# KiCad board pcb.kicad_pcb (continued)
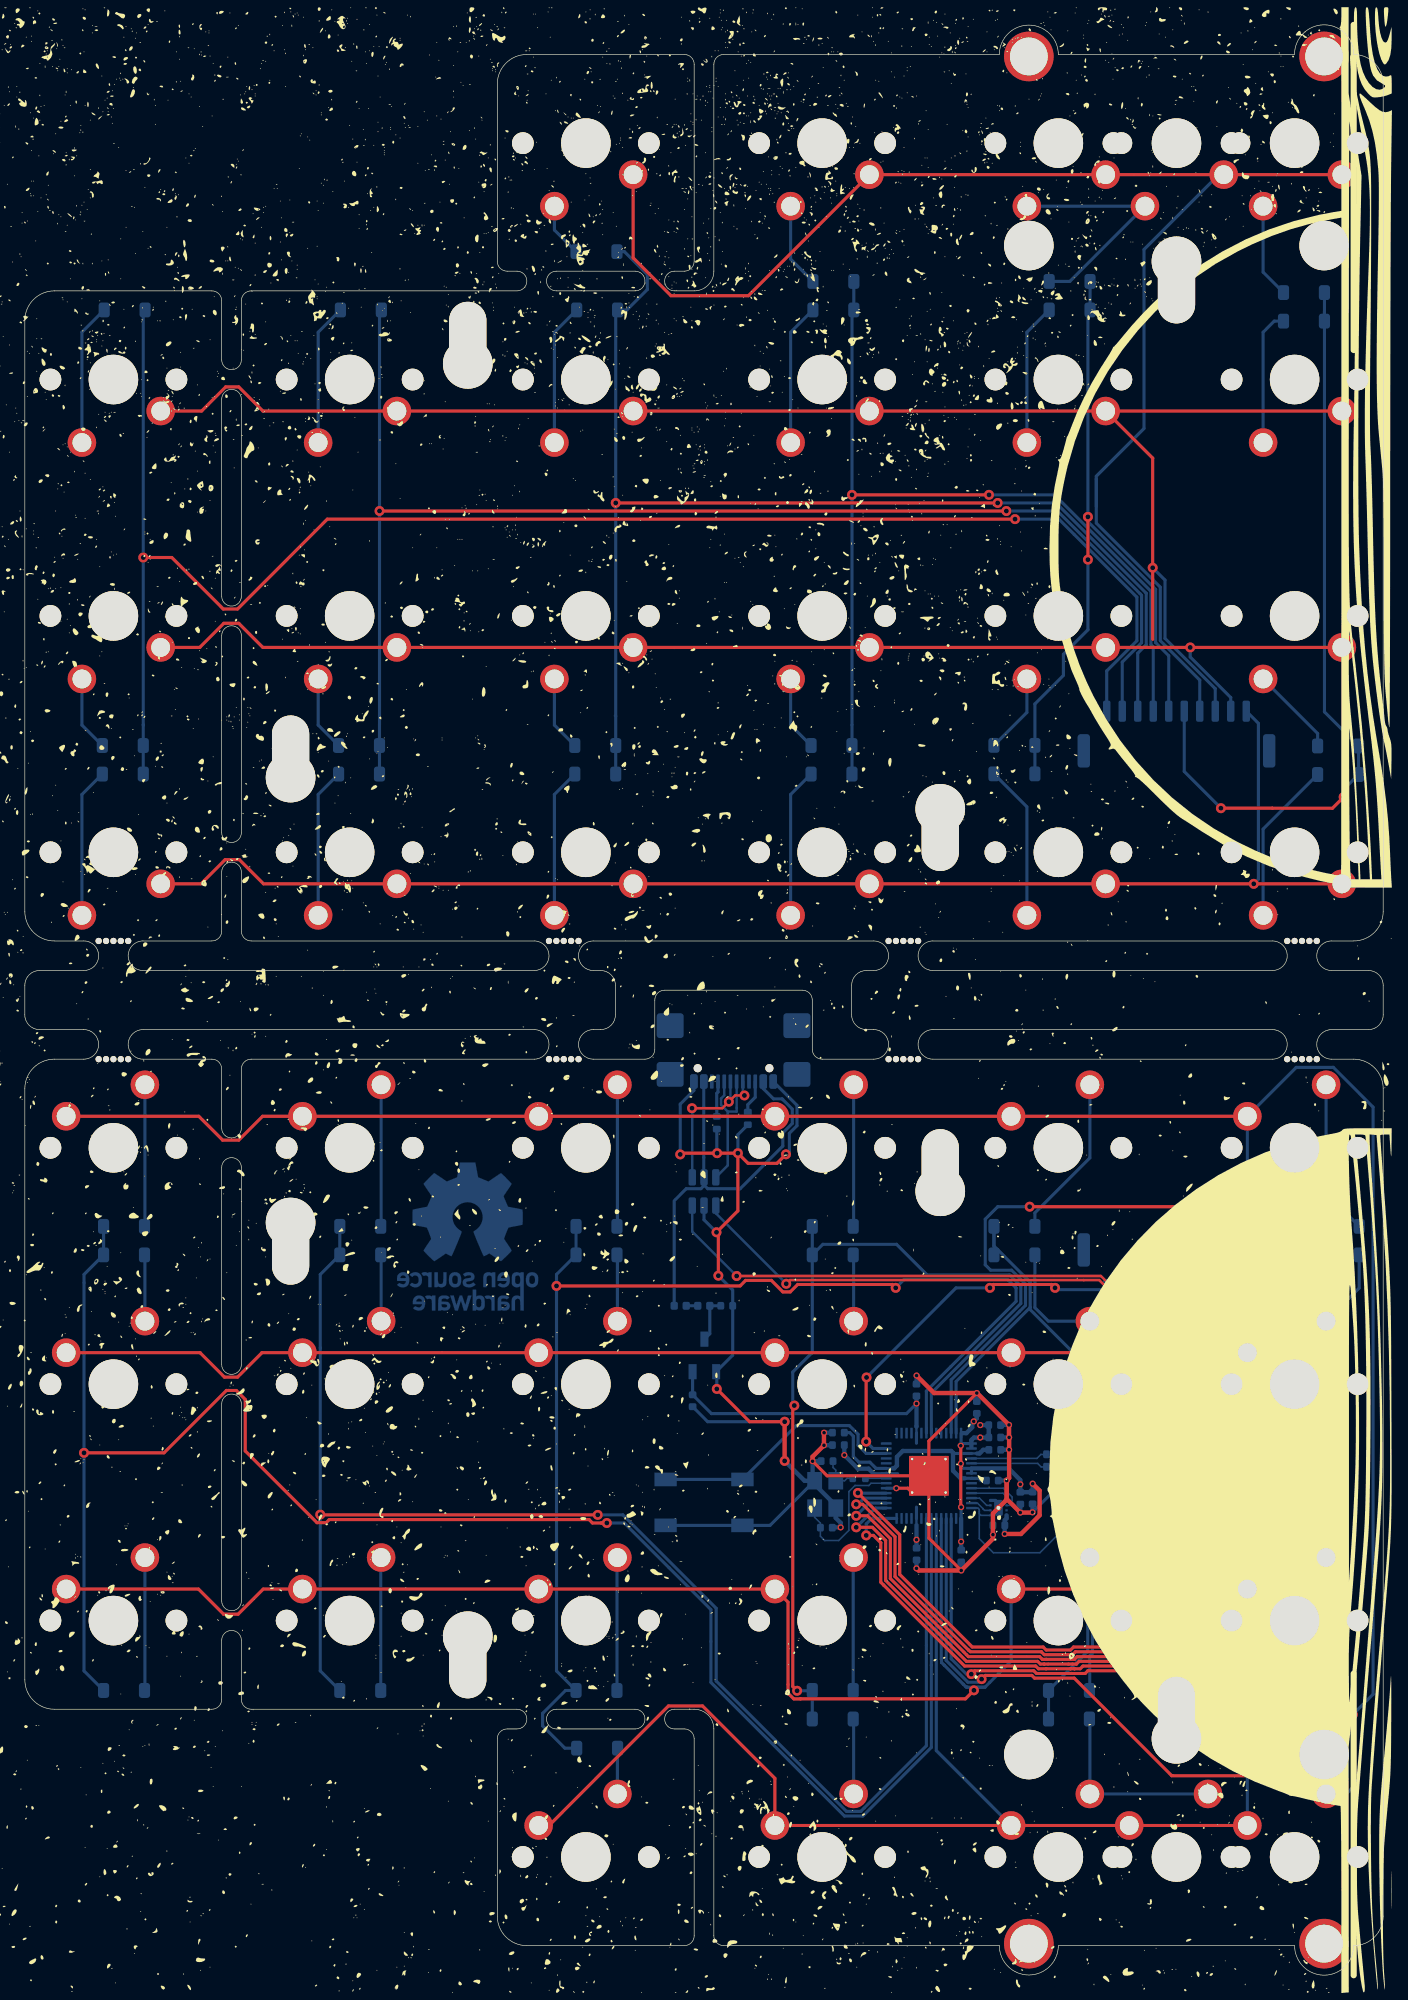
[diagram p0: board, top side]
## Footprints (pads in the part's own frame, mm; a bottom-side part is the same pattern mirrored in y, then rotated)
C_0402_1005Metric
  rrect 0.56x0.62 smd: 1(-0.48,0) 2(0.48,0)
Crystal_SMD_3225-4Pin_3.2x2.5mm
  rect 1.4x1.2 smd: 1(-1.1,-0.85) 2(1.1,-0.85) 3(1.1,0.85) 4(-1.1,0.85)
D_SOD-123-minimal
  rrect 0.9x1.2 smd: 1(-1.65,0) 2(1.65,0)
Fuse_0402_1005Metric
  rrect 0.59x0.64 smd: 1(-0.485,0) 2(0.485,0)
JST_GH_SM10B-GHS-TB_1x10-1MP_P1.25mm_Horizontal
  rrect 0.6x1.7 smd: 1(-5.625,1.85) 2(-4.375,1.85) 3(-3.125,1.85) 4(-1.875,1.85) 5(-0.625,1.85) 6(0.625,1.85) 7(1.875,1.85) 8(3.125,1.85) 9(4.375,1.85) 10(5.625,1.85)
  rrect 1x2.7 smd: MP(-7.475,-1.35) MP(7.475,-1.35)
L_0402_1005Metric
  rrect 0.59x0.64 smd: 1(-0.485,0) 2(0.485,0)
mousebites
  round 0.5 hole 0.5 unplated: (-1.191,-1.191) (-0.595,-1.191) (0,-1.191) (0.595,-1.191) (1.191,-1.191)
QFN-56-1EP_7x7mm_P0.4mm_EP3.2x3.2mm_ThermalVias
  custom 1.239x1.239 smd: (-0.675,-0.675) (-0.675,0.675) (0.675,-0.675) (0.675,0.675)
  rrect 0.875x0.2 smd: 1(-3.438,2.6) 2(-3.438,2.2) 3(-3.438,1.8) 4(-3.438,1.4) 5(-3.438,1) 6(-3.438,0.6) 7(-3.438,0.2) 8(-3.438,-0.2) 9(-3.438,-0.6) 10(-3.438,-1) 11(-3.438,-1.4) 12(-3.438,-1.8) 13(-3.438,-2.2) 14(-3.438,-2.6) 29(3.438,-2.6) 30(3.438,-2.2) 31(3.438,-1.8) 32(3.438,-1.4) 33(3.438,-1) 34(3.438,-0.6) 35(3.438,-0.2) 36(3.438,0.2) 37(3.438,0.6) 38(3.438,1) 39(3.438,1.4) 40(3.438,1.8) 41(3.438,2.2) 42(3.438,2.6)
  rrect 0.2x0.875 smd: 15(-2.6,-3.438) 16(-2.2,-3.438) 17(-1.8,-3.438) 18(-1.4,-3.438) 19(-1,-3.438) 20(-0.6,-3.438) 21(-0.2,-3.438) 22(0.2,-3.438) 23(0.6,-3.438) 24(1,-3.438) 25(1.4,-3.438) 26(1.8,-3.438) 27(2.2,-3.438) 28(2.6,-3.438) 43(2.6,3.438) 44(2.2,3.438) 45(1.8,3.438) 46(1.4,3.438) 47(1,3.438) 48(0.6,3.438) 49(0.2,3.438) 50(-0.2,3.438) 51(-0.6,3.438) 52(-1,3.438) 53(-1.4,3.438) 54(-1.8,3.438) 55(-2.2,3.438) 56(-2.6,3.438)
  round 0.5 hole 0.2: 57(-1.35,-1.35) 57(-1.35,1.35) 57(1.35,-1.35) 57(1.35,1.35)
  rect 3.2x3.2 smd far side: 57(0,0)
  rect 3.2x3.2 smd: 57(0,0)
R_0402_1005Metric
  rrect 0.54x0.64 smd: 1(-0.51,0) 2(0.51,0)
SOT-23-6
  rrect 1.325x0.6 smd: 1(-1.137,0.95) 2(-1.137,0) 3(-1.137,-0.95) 4(1.137,-0.95) 5(1.137,0) 6(1.137,0.95)
spacer_hole_4mm
  round 4 hole 4 unplated: (0,3.5)
  oval 3x6 hole 3x6 unplated: (0,1.5)
STAB_MX_P_2u
  round 4 hole 3.048: (-11.906,6.985) (11.906,6.985)
  round 3.988 hole 3.988 unplated: (-11.906,-8.255) (11.906,-8.255)
SW_MX_1u
  round 1.75 hole 1.75 unplated: (-5.08,0) (5.08,0)
  round 3.988 hole 3.988 unplated: (0,0)
  round 2.3 hole 1.524: 1(-3.81,2.54) 2(2.54,5.08)
SW_SPST_SKQG_WithoutStem
  rect 1.8x1.1 smd: 1(-3.1,1.85) 1(3.1,1.85) 2(-3.1,-1.85) 2(3.1,-1.85)
TSOT-23
  rect 1.22x0.65 smd: 1(-1.31,0.95) 2(-1.31,-0.95) 3(1.31,0)
USB_C_Receptacle_GCT_USB4110
  round 0.65 hole 0.65 unplated: (-2.89,2.605) (2.89,2.605)
  rrect 0.6x1.15 smd: A1(-3.2,3.68) A4(-2.4,3.68) A9(2.4,3.68) A12(3.2,3.68) B1(3.2,3.68) B4(2.4,3.68) B9(-2.4,3.68) B12(-3.2,3.68)
  rrect 0.3x1.15 smd: A5(-1.25,3.68) A6(-0.25,3.68) A7(0.25,3.68) A8(1.25,3.68) B5(1.75,3.68) B6(0.75,3.68) B7(-0.75,3.68) B8(-1.75,3.68)
  rrect 2.18x2 smd: S1(-5.11,-0.825) S1(-5.11,3.105) S1(5.11,-0.825) S1(5.11,3.105)
USON-8_1.5x1.5mm_P0.45mm
  rrect 0.2x0.18 smd: 1(-0.65,0.6) 2(-0.65,0.2) 3(-0.65,-0.2) 4(-0.65,-0.6) 5(0.65,-0.6) 6(0.65,-0.2) 7(0.65,0.2) 8(0.65,0.6)
  round 0.5 hole 0.3: 9(0,0)
  rrect 0.7x1.3 smd: 9(0,0)

## Nets
+1V1: C12.1 C14.1 C16.1 U1.23 U1.45 U1.50
+3.3V: C3.1 C4.1 C5.1 C6.1 C7.1 C8.1 C9.1 C10.1 C11.1 C15.1 C17.1 U1.1 U1.10 U1.22 U1.33 U1.42 U1.43 U1.44 U1.48 U1.49 U4.2 U5.8
/VBUS: F1.2 J1.A4 J1.A9 J1.B4 J1.B9 U3.5
GND: C1.2 C2.2 C3.2 C4.2 C5.2 C6.2 C7.2 C8.2 C9.2 C10.2 C11.2 C12.2 C13.2 C14.2 C15.2 C16.2 C17.2 J1.A1 J1.A12 J1.B1 J1.B12 R4.1 R5.1 SW72.1 SW73.1 U1.19 U1.57 U3.2 U4.1 U5.4 U5.9 Y1.2 Y1.4
/CS_: SW72.2 U1.56 U5.1
/D1+: J1.A6 J1.B6 U3.4
/D1-: J1.A7 J1.B7 U3.6
/DN: R2.2 U3.1
/DP: R1.1 U3.3
/RUN_: SW73.2 U1.26
/SCLK_: U1.52 U5.6
/SD0_: U1.53 U5.5
/SD1_: U1.55 U5.2
/SD2_: U1.54 U5.3
/SD3_: U1.51
/Switch Matrix/COL6r: D23.1 D29.1 D35.1 D41.1 J3.5
/Switch Matrix/COL7r: D24.1 D30.1 D36.1 D42.1 J3.6
/Switch Matrix/COL8r: D25.1 D31.1 D37.1 D43.1 J3.7
/Switch Matrix/COL9r: D26.1 D32.1 D38.1 D44.1 J3.8
/Switch Matrix/COL10r: D27.1 D33.1 D39.1 J3.9
/Switch Matrix/COL11r: D28.1 D34.1 D40.1 J3.10
/Switch Matrix/ROW0r: J3.1 MX23.1 MX24.1 MX25.1 MX26.1 MX27.1 MX28.1
/Switch Matrix/ROW1r: J3.2 MX29.1 MX30.1 MX31.1 MX32.1 MX33.1 MX34.1
/Switch Matrix/ROW2r: J3.3 MX35.1 MX36.1 MX37.1 MX38.1 MX39.1 MX40.1
/Switch Matrix/ROW3r: J3.4 MX41.1 MX42.1 MX43.1 MX44.1 MX46.1
/VFused_: C13.1 FB1.2 U4.3
/XIN_: C1.1 U1.20 Y1.3
/XOUT_: C2.1 R3.1 Y1.1
GP0: U1.2
GP1: J2.10 MX1.1 MX2.1 MX3.1 MX4.1 MX5.1 MX6.1 U1.3
GP2: J2.9 MX7.1 MX8.1 MX9.1 MX10.1 MX11.1 MX12.1 U1.4
GP3: J2.8 MX13.1 MX14.1 MX15.1 MX16.1 MX17.1 MX18.1 U1.5
GP4: J2.7 MX19.1 MX20.1 MX21.1 MX22.1 MX45.1 U1.6
GP5: D1.1 D7.1 D13.1 U1.7
GP6: D2.1 D8.1 D14.1 U1.8
GP7: U1.9
GP8: U1.11
GP9: U1.12
GP10: U1.13
GP11: J2.6 U1.14
GP12: J2.5 U1.15
GP13: J2.4 U1.16
GP14: J2.3 U1.17
GP15: J2.2 U1.18
GP16: J2.1 U1.27
GP17: U1.28
GP18: U1.29
GP19: U1.30
GP20: U1.31
GP21: U1.32
GP22: U1.34
GP23: D3.1 D9.1 D15.1 D19.1 U1.35
GP24: D4.1 D10.1 D16.1 D20.1 U1.36
GP25: U1.37
GP26: U1.38
GP27: U1.39
GP28: D6.1 D12.1 D18.1 D22.1 U1.40
GP29: D5.1 D11.1 D17.1 D21.1 U1.41
Net-(D1-A): D1.2 MX1.2
Net-(D2-A): D2.2 MX2.2
Net-(D3-A): D3.2 MX3.2
Net-(D4-A): D4.2 MX4.2
Net-(D5-A): D5.2 MX5.2
Net-(D6-A): D6.2 MX6.2
Net-(D7-A): D7.2 MX7.2
Net-(D8-A): D8.2 MX8.2
Net-(D9-A): D9.2 MX9.2
Net-(D10-A): D10.2 MX10.2
Net-(D11-A): D11.2 MX11.2
Net-(D12-A): D12.2 MX12.2
Net-(D13-A): D13.2 MX13.2
Net-(D14-A): D14.2 MX14.2
Net-(D15-A): D15.2 MX15.2
Net-(D16-A): D16.2 MX16.2
Net-(D17-A): D17.2 MX17.2
Net-(D18-A): D18.2 MX18.2
Net-(D19-A): D19.2 MX19.2
Net-(D20-A): D20.2 MX20.2
Net-(D21-A): D21.2 MX21.2 MX45.2
Net-(D22-A): D22.2 MX22.2
Net-(D23-A): D23.2 MX23.2
Net-(D24-A): D24.2 MX24.2
Net-(D25-A): D25.2 MX25.2
Net-(D26-A): D26.2 MX26.2
Net-(D27-A): D27.2 MX27.2
Net-(D28-A): D28.2 MX28.2
Net-(D29-A): D29.2 MX29.2
Net-(D30-A): D30.2 MX30.2
Net-(D31-A): D31.2 MX31.2
Net-(D32-A): D32.2 MX32.2
Net-(D33-A): D33.2 MX33.2
Net-(D34-A): D34.2 MX34.2
Net-(D35-A): D35.2 MX35.2
Net-(D36-A): D36.2 MX36.2
Net-(D37-A): D37.2 MX37.2
Net-(D38-A): D38.2 MX38.2
Net-(D39-A): D39.2 MX39.2
Net-(D40-A): D40.2 MX40.2
Net-(D41-A): D41.2 MX41.2
Net-(D42-A): D42.2 MX42.2 MX46.2
Net-(D43-A): D43.2 MX43.2
Net-(D44-A): D44.2 MX44.2
Net-(F1-Pad1): F1.1 FB1.1
Net-(J1-CC1): J1.A5 R4.2
Net-(J1-CC2): J1.B5 R5.2
Net-(U1-USB_DM): R2.1 U1.46
Net-(U1-USB_DP): R1.2 U1.47
Net-(U1-XOUT): R3.2 U1.21

Pads without a net: J1 A8 B8 S1; J2 MP; J3 MP; U1 24 25; U5 7

## Via types
v1: diameter 0.8, hole 0.4, Top to Bottom, 66 vias
v2: diameter 0.5, hole 0.3, Top to Bottom, 29 vias

## Routing (per net, layer and track width the routed paths; a pad name or vN(x,y) marks a point on that pad's centre or on a via; arc(x,y) is an arc through that point)
+1V1: length 19.3
  Bottom w0.127: U1.23 69.97,40.84
  Bottom w0.25: U1.50 75.48,40.04 ; 74.85,42.1 74.91,42.04 U1.45
  Bottom w0.254: U1.23 68.64,40.84 68.14,41.34 67.27,41.34 66.81,41.79 66.81,43.43 66.52,43.72 C16.1 ; C14.1 77.1,39.86 76.92,40.04 U1.50
  Bottom w0.35: 69.97,40.84 70.11,40.84 70.33,41.06 70.33,41.77 70.8,42.24 74.71,42.24 74.85,42.1 74.85,40.65 75.46,40.04 75.8,40.04 ; 76.8,42.04 76.99,42.04 77.29,42.34 C12.1
+3.3V: length 65
  Top w0.25: v2(75.5,37.72) 75.48,37.74 v2(75.48,42.67)
  Top w0.35: v2(79.02,35.56) 80.33,35.56 81.84,37.06 81.84,39.05 v2(81.27,39.61)
  Bottom w0.25: U4.2 C15.1 55.37,45.26 71.1,45.26 v2(71.91,46.06) ; U1.10 71.9,37.72 ; U1.33 71.9,42.87 ; U1.48 75.48,40.84 ; U1.43 75.5,42.84 ; 75.5,42.84 U1.42 ; 75.5,42.84 75.35,42.7 75.33,42.7 ; U1.1 v2(75.5,37.72)
  Bottom w0.254: 68.45,40.41 69.43,40.41 U1.22 69.49,40.41 70.38,40.41 ; U1.49 U1.48 ; C8.1 71.9,46.67
  Bottom w0.35: v2(79.02,35.56) 79.02,36.25 C10.1 79.02,36.67 79.17,36.81 U5.8 ; 76.34,40.84 79.33,40.84 80.28,39.9 C4.1 81.25,38.92 C3.1 81.27,38.94 v2(81.27,39.61) ; 76.33,42.58 76.33,43.12 76.54,43.33 v2(77.05,43.33) 77.73,43.33 C6.1 77.73,44.32 C5.1 v2(77.05,44.33) ; 75.62,43.68 75.93,43.68 76.4,44.15 76.4,44.5 v2(76.52,44.63) 76.77,44.88 C7.1 ; 68.45,40.41 68.04,40.82 67.18,40.82 v2(66.09,41.91) 66.09,42.72 C11.1 ; C17.1 75.5,34.26 v2(75.5,34.94) 75.5,36.81 ; C8.1 v2(71.91,46.06) 71.91,44.22 71.9,44.21 ; C9.1 71.91,34.42 v2(71.91,35.09) 71.91,36.27
  vias: v2(75.48,41.22) v2(80.28,39.56)
/VBUS: length 35.1
  Bottom w0.25: F1.2 52.37,62.41 ; J1.A9 59.55,71.44 60.37,70.62 61.07,70.62 61.89,69.8 61.89,68.63 61.13,67.87 61.13,66.82 57.69,63.38 55.07,63.38 54.77,63.68 U3.5 ; 52.45,62.49 53.34,63.38 54.52,63.38 54.77,63.63 U3.5 ; U3.5 54.75,64.31 J1.A4
GND: length 184.2
  Top w0.25: U1.57 64.7,40.24 v2(63.53,41.42) ; U1.57 72.9,43.04 v2(76.77,46.91) ; U1.57 72.9,35.22 v2(75.51,32.61) ; v2(70.28,39.24) 71.2,39.24 U1.57 ; v1(57.5,66.24) 58.32,65.42 60.66,65.42 v1(61.38,66.15) ; v1(57.5,66.24) 57.5,61.59 v1(55.78,59.87) 55.93,59.72 v1(55.93,56.37) ; v1(57.5,66.24) v1(55.83,66.24) 52.95,66.24 v1(52.85,66.14) ; v1(61.27,44.6) 58.44,44.6 v1(55.8,47.24) ; v1(95.9,41.29) 95.85,41.34 v1(89.8,41.34)
  Top w0.35: v1(61.27,41.44) v1(61.27,44.6) ; v2(79.18,39.86) 79.37,40.05 v2(79.37,42.34) v2(79.37,43.33) 79.37,43.34 v2(79.37,44.35) 76.8,46.91 v2(76.77,46.91) 73.32,46.91 v2(71.91,48.32) ; v2(79.18,39.86) 79.18,38.32 U5.9 78.07,37.21 v2(78.07,35.5) 78.07,35.17 v2(75.51,32.61) 72.07,32.61 v2(71.91,32.78) ; v2(79.18,39.86) 79.18,38.38 v2(80.28,37.28) 81.24,37.28 v2(81.26,37.3) ; v2(63.53,41.42) 63.53,41.79 v2(64.45,42.7) 64.45,43.71 v2(64.45,43.72)
  Bottom w0.127: 71.9,39.24 U1.57
  Bottom w0.25: 55.8,68.12 55.8,66.27 v1(55.83,66.24) ; v1(89.8,41.34) 89.77,41.31 SW72.1 83.91,39.95 v2(81.26,37.3) ; v1(57.5,66.24) 57.5,67.73 R5.1 ; v1(55.8,47.24) 55.8,48.58 U4.1 57.08,49.96 C13.2 57.08,55.21 v1(55.93,56.37) ; C15.2 55.06,44.6 v1(61.27,44.6) ; U5.4 78.27,38.26 78.52,38.01 U5.9 ; SW72.1 95.9,40.02 v1(95.9,41.29) ; v1(52.85,66.14) 52.85,70.19 53.95,71.29 J1.A1 ; SW73.1 SW73.1 60.1,36.25 Y1.4 ; U1.19 v2(70.28,39.24) ; J1.A12 62.27,70.1 62.27,68.46 61.65,67.84 61.65,66.42 v1(61.38,66.15) ; v1(55.78,59.87) 54.77,60.88 U3.2
  Bottom w0.35: C10.2 78.07,36.25 v2(78.07,35.5) ; C14.2 v2(79.18,39.86) ; v2(71.91,48.32) 71.91,47.64 C8.2 ; C2.2 64.21,41.42 v2(63.53,41.42) 63.53,40.01 Y1.4 ; v1(61.27,41.44) 62.87,39.84 Y1.4 ; C11.2 65.11,42.7 v2(64.45,42.7) ; v2(79.37,42.34) 78.71,42.34 C12.2 ; C7.2 v2(76.77,46.91) ; v2(64.45,43.72) 65.12,43.72 C16.2 ; C9.2 71.91,33.45 v2(71.91,32.78) ; C6.2 v2(79.37,43.33) ; C4.2 v2(80.28,37.28) ; Y1.4 63.69,39.55 65.39,37.85 Y1.2 65.39,36.85 65.79,36.45 v2(65.79,36.09) 65.14,36.09 C1.2 ; v2(79.37,44.35) 78.7,44.35 C5.2 ; C3.2 81.26,37.97 v2(81.26,37.3) ; C17.2 v2(75.51,32.61)
/CS_: length 27.9
  Top w0.127: v1(89.88,34.59) 95.95,34.59 v1(95.98,34.57)
  Bottom w0.127: v1(89.88,34.59) 89.88,36.14 SW72.2 84.06,36.25 81.85,34.04 78.1,34.04 76.97,35.18 76.97,37.39 ; SW72.2 95.97,34.58 v1(95.98,34.57) ; U1.56 76.86,37.64 76.97,37.53 76.97,37.39 ; U5.1 77.09,37.06 76.97,37.18 76.97,37.39
/D1+: length 13.1
  Top w0.2: v1(58.03,70.89) 57.28,70.89 v1(56.78,70.39) 56.25,69.87 v1(53.8,69.87)
  Bottom w0.2: v1(58.03,70.89) 57.9,71.02 J1.B6 ; v1(53.8,69.87) 53.82,69.85 U3.4 ; J1.A6 56.9,70.52 v1(56.78,70.39)
/D1-: length 11.6
  Bottom w0.2: J1.B7 56.4,70.91 56.15,70.65 56.15,70.13 56.68,69.59 ; J1.A7 57.4,69.59 56.68,69.59 ; 56.68,69.59 56.68,65.26 U3.6
/DN: length 57.5
  Top w0.2: v1(91.38,50.82) 91.38,51.28 86.64,56.02 61.7,56.02 v1(61.4,55.72)
  Bottom w0.2: v1(61.4,55.72) 55.72,61.4 U3.1 ; v1(91.38,50.82) 91.97,50.22 91.97,45.23 88.04,41.3 84.75,41.3 84.08,41.98 R2.2
/DP: length 60.7
  Top w0.2: v1(57.4,56.34) 86.78,56.34 v1(92.3,50.82)
  Bottom w0.2: v1(57.4,56.34) 53.82,59.93 U3.3 ; v1(92.3,50.82) 92.3,45.09 88.18,40.97 R1.1
/RUN_: length 21
  Bottom w0.25: U1.26 67.85,42.04 67.19,42.7 67.19,43.59 66.5,44.29 62.21,44.29 SW73.2 SW73.2
/SCLK_: length 4.7
  Bottom w0.127: U5.6 79.57,37.86 79.62,37.91 79.62,38.53 78.91,39.24 U1.52
/SD0_: length 3.2
  Bottom w0.127: U5.5 79.17,38.56 78.88,38.84 U1.53
/SD1_: length 1.8
  Bottom w0.127: U1.55 76.35,38.03 76.83,38.03 77.27,37.59 77.27,37.58 77.39,37.46 U5.2
/SD2_: length 1.8
  Bottom w0.127: U5.3 77.57,37.86 76.98,38.44 U1.54
/Switch Matrix/COL6r: length 62.4
  Top w0.25: 106.3,94.99 v1(106.35,94.94) 105.44,94.04 100.61,94.04 100.6,94.04 v1(96.45,94.04)
  Bottom w0.25: J3.5 93.5,97 v1(96.45,94.04) ; 104.8,134.04 104.8,101.81 D29.1 D23.1 106.35,95.56 v1(106.35,94.94) ; D41.1 D35.1
/Switch Matrix/COL7r: length 59.9
  Top w0.25: v1(85.73,117.52) 85.73,114.07 v1(85.73,114.07)
  Bottom w0.25: J3.6 92.25,106.33 91.19,107.39 91.19,111.68 85.73,117.13 v1(85.73,117.52) 85.73,134.02 D36.1 D42.1 ; v1(85.73,114.07) 85.73,108.42 83.75,106.44 83.75,104.74 81.45,102.44 D30.1 D24.1
/Switch Matrix/COL8r: length 76.7
  Top w0.25: v1(77.75,119.29) v1(66.7,119.29)
  Bottom w0.25: v1(77.75,119.29) 83.04,119.29 90.81,111.52 90.81,107.23 91,107.04 J3.7 ; D25.1 D31.1 ; 66.7,99.19 v1(66.7,119.29) 66.7,134.04 D37.1 D43.1
/Switch Matrix/COL9r: length 100.9
  Top w0.25: v1(78.45,118.64) 47.65,118.64 v1(47.65,118.64)
  Bottom w0.25: D44.1 48.35,138.89 50.2,137.04 50.2,135.84 48.55,134.19 D38.1 ; 47.62,101.49 47.65,101.46 ; v1(78.45,118.64) 83.15,118.64 90.43,111.36 90.43,107.22 89.75,106.53 J3.8 ; D38.1 47.65,134.04 v1(47.65,118.64) D32.1 D26.1 ; D38.1 47.62,134.01
/Switch Matrix/COL10r: length 111.7
  Top w0.25: v1(79.15,117.99) 28.61,117.99 v1(28.6,117.99)
  Bottom w0.25: D39.1 28.6,134.04 v1(28.6,117.99) 28.6,100.76 28.6,100.76 D33.1 D27.1 ; v1(79.15,117.99) 83.27,117.99 90.05,111.21 90.05,107.38 88.5,105.82 J3.9
/Switch Matrix/COL11r: length 135.1
  Top w0.25: v1(79.85,117.34) 24.4,117.34 17.15,110.09 16,110.09 11.85,114.24 v1(9.55,114.24)
  Bottom w0.25: D40.1 9.55,134.04 v1(9.55,114.24) 9.55,100.76 9.55,100.76 D34.1 D28.1 ; J3.10 87.25,105.1 89.68,107.53 89.68,111.05 83.39,117.34 v1(79.85,117.34)
/Switch Matrix/ROW0r: length 111.8
  Top w0.25: MX23.1 v1(99.1,87.95) MX24.1 MX25.1 MX26.1 MX27.1 19.25,87.95 17.3,89.89 16.15,89.89 14.21,87.95 MX28.1
  Bottom w0.25: J3.1 99.48,100.88 99.48,88.32 v1(99.1,87.95) ; 87.66,87.95 MX24.1
/Switch Matrix/ROW1r: length 103.4
  Top w0.25: MX29.1 v1(93.98,107) MX33.1 19.2,107 17.25,108.94 16.05,108.94 14.11,107 MX34.1
  Bottom w0.25: J3.2 97.25,102.96 93.98,106.23 v1(93.98,107)
/Switch Matrix/ROW2r: length 130.5
  Top w0.25: 90.95,107.65 v1(90.95,113.42) 90.95,122.25 MX36.1 ; MX36.1 MX37.1 MX38.1 MX39.1 19.2,126.05 17.25,127.99 16.2,127.99 14.26,126.05 MX40.1 ; MX36.1 MX35.1
  Bottom w0.25: J3.3 96,103.68 91.94,107.73 91.94,112.43 v1(90.95,113.42)
/Switch Matrix/ROW3r: length 122.6
  Top w0.25: MX44.1 49.06,138.39 52.1,135.34 58.35,135.34 MX43.1 MX42.1 MX46.1 MX41.1
  Bottom w0.25: J3.4 94.75,104.36 91.57,107.54 91.57,111.85 86.4,117.02 86.4,120.57 ; 86.4,120.57 86.4,120.8 90.25,124.64 90.25,139.07 96.28,145.1 MX46.1 ; 86.4,120.57 86.4,118.34
/VFused_: length 3.8
  Bottom w0.25: U4.3 55.24,51.69 FB1.2 C13.1
/XIN_: length 11.7
  Bottom w0.127: Y1.3 63.69,36.89 64.16,36.43 64.16,36.07 C1.1 64.16,35.37 64.5,35.03 65.63,35.03 66.45,35.85 66.45,38.97 66.95,39.47 66.96,39.46 68.06,39.46 68.24,39.64 U1.20
/XOUT_: length 3.1
  Bottom w0.127: R3.1 66.31,40.05 66.11,39.84 Y1.1 65.39,40.69 65.17,40.92 65.17,41.42 C2.1
GP1: length 220
  Top w0.25: MX1.1 14.03,69.22 15.95,67.29 17.25,67.29 19.17,69.22 MX2.1 MX3.1 MX4.1 MX5.1 MX6.1 ; v1(107.09,21) 103.56,24.53 85.73,24.53 85.51,24.32 81.58,24.32 81.36,24.53 76.6,24.53 v1(76.32,24.26)
  Bottom w0.25: v1(107.09,21) 108.73,22.64 108.73,69.95 105.52,73.16 102.53,73.16 MX6.1 ; v1(76.32,24.26) 75.94,24.26 74.7,25.49 U1.3 ; J2.10 98.59,55.33 MX6.1 ; 98.09,69.22 MX6.1
GP2: length 179.9
  Top w0.25: MX7.1 14.13,50.17 16.1,48.19 17.15,48.19 19.12,50.17 MX8.1 MX9.1 MX10.1 MX11.1 MX12.1 ; v1(77.16,23.86) 77.46,24.16 81.21,24.16 81.42,23.94 84.62,23.94 92.49,16.07 v1(100.61,16.07) 100.61,16.16
  Bottom w0.25: U1.4 74.3,25.36 76.05,23.61 76.91,23.61 v1(77.16,23.86) ; J2.9 97.25,51.51 MX12.1 98.96,49.79 98.96,33.04 99.99,32.02 99.99,30.53 99.58,30.12 99.58,17.2 100.61,16.16 v1(100.61,16.07)
GP3: length 153.1
  Top w0.25: MX17.1 MX18.1 ; MX13.1 14,31.12 16.03,29.09 17.2,29.09 19.22,31.12 MX14.1 MX15.1 MX16.1 61.55,30.05 61.55,22.72 62.01,22.27 62.55,22.27 62.55,22.27 75.85,22.27 v1(76.54,22.96)
  Bottom w0.25: 77.43,23.2 76.78,23.2 v1(76.54,22.96) ; 77.43,23.2 79.54,25.31 MX17.1 ; 77.43,23.2 75.99,23.2 75.97,23.23 75.89,23.23 73.92,25.2 73.92,25.45 73.9,25.47 U1.5 ; MX18.1 98.59,43.36 96,45.95 J2.8
GP4: length 141.1
  Top w0.25: MX19.1 42.27,12.07 51.9,21.69 54.65,21.69 60.49,15.86 MX20.1 MX21.1 MX45.1 MX22.1
  Bottom w0.25: MX22.1 98.59,16.66 96.06,19.18 96.06,31.13 98.21,33.27 98.21,43.2 95.62,45.79 95.62,53.17 94.75,54.04 J2.7 ; U1.6 73.5,18.1 MX21.1
GP5: length 150.1
  Top w0.25: v1(4.78,42.09) 11.23,42.09 16.25,47.12 17.05,47.12 17.78,46.39 17.78,42.24 23.56,36.47 24.3,36.47 24.55,36.72 45.5,36.72 45.78,36.44 46.47,36.44 46.47,36.44 v1(46.93,36.44)
  Bottom w0.25: v1(46.93,36.44) 48.34,36.44 55.33,29.46 55.33,23.6 66.1,12.82 67.57,12.82 73.1,18.35 U1.7 ; D1.1 D7.1 4.78,56.47 v1(4.78,42.09) 4.78,24.52 D13.1
GP6: length 121.4
  Top w0.25: v1(23.83,37.12) 23.85,37.09 v1(46.2,37.09)
  Bottom w0.25: U1.8 72.7,18.49 67.42,13.2 66.25,13.2 55.75,23.7 55.75,29.57 48.23,37.09 v1(46.2,37.09) ; D2.1 D8.1 23.83,56.47 v1(23.83,37.12) 23.83,24.52 D14.1
GP11: length 66.6
  Top w0.25: v1(67.85,35.44) 68.43,35.44 69.03,34.84 69.03,31.67 75.78,24.91 81.52,24.91 81.74,24.69 85.11,24.69 85.33,24.91 91.9,24.91 92.12,25.14 92.87,25.14 93.93,26.2 v1(93.93,26.91)
  Bottom w0.25: J2.6 93.5,52.71 94.48,51.73 94.48,49.81 94.48,49.64 94.19,49.35 94.19,44.3 93.56,43.68 93.56,27.28 v1(93.93,26.91) ; U1.14 68.29,36.81 67.85,36.37 v1(67.85,35.44)
GP12: length 66.3
  Top w0.25: v1(67.04,36.09) 68.35,36.09 69.42,35.02 69.42,31.81 75.94,25.29 81.67,25.29 81.89,25.07 84.8,25.07 85.02,25.29 91.73,25.29 92.23,25.79 v1(92.6,25.79)
  Bottom w0.25: v1(67.04,36.09) 68.6,37.64 U1.15 ; J2.5 92.25,53.43 94.1,51.57 94.1,49.8 93.81,49.51 93.81,44.47 93.19,43.85 93.19,27.11 93.28,27.01 93.28,26.47 92.9,26.09 92.9,26.09 v1(92.6,25.79)
GP13: length 66.4
  Top w0.25: v1(67.04,37.02) 67.96,37.02 69.8,35.18 69.8,31.97 76.09,25.67 81.83,25.67 82.05,25.45 84.64,25.45 84.86,25.67 91.55,25.67 v1(92.63,26.74)
  Bottom w0.25: v1(92.63,26.74) 92.81,26.92 92.81,44.03 93.41,44.63 93.41,49.64 93.71,49.94 93.71,51.4 92.87,52.25 91.71,52.25 91,52.96 J2.4 ; v1(67.04,37.02) 68.07,38.04 U1.16
GP14: length 65.9
  Top w0.25: v1(91.7,26.74) 91.03,26.07 84.72,26.07 84.48,25.83 82.21,25.83 81.97,26.07 76.25,26.07 76.12,26.19 76.1,26.19 70.17,32.12 70.17,35.34 67.56,37.95 v1(67.04,37.95)
  Bottom w0.25: U1.17 67.68,38.44 67.19,37.95 v1(67.04,37.95) ; J2.3 89.75,53.68 91.56,51.87 92.71,51.87 93.33,51.24 93.33,50.11 93.03,49.81 93.03,44.79 92.43,44.19 92.43,27.47 v1(91.7,26.74)
GP15: length 65.2
  Top w0.25: v1(67.18,38.86) 70.55,35.49 70.55,32.29 76.4,26.44 82.13,26.44 82.36,26.21 84.33,26.21 84.57,26.44 90.48,26.44 v1(91.7,27.67)
  Bottom w0.25: J2.2 88.5,54.39 91.42,51.47 92.57,51.47 92.96,51.09 92.96,50.27 92.66,49.97 92.66,44.95 92.05,44.34 92.05,28.02 v1(91.7,27.67) ; v1(67.18,38.86) 67.2,38.84 U1.18
GP16: length 29.7
  Top w0.25: v1(83.08,55.39) 82.8,55.66 78.1,55.66 v1(77.83,55.39) ; v1(67.85,42.99) 67.85,48.14 v1(67.88,48.17)
  Bottom w0.25: U1.27 68.4,42.44 v1(67.85,42.99) ; v1(67.88,48.17) 75.1,55.39 v1(77.83,55.39) ; v1(83.08,55.39) 83.22,55.24 J2.1
GP23: length 99.9
  Top w0.25: v1(42.88,55.54) 57.68,55.54 58.13,55.99 60.2,55.99 61.13,55.06 61.73,55.06 62.33,55.66 69.95,55.66 v1(70.23,55.39)
  Bottom w0.25: v1(70.23,55.39) 70.89,56.06 79.26,56.06 79.94,55.37 79.94,54.31 72.7,47.07 U1.35 ; D19.1 43.55,18.29 41.75,20.09 41.75,21.09 43.6,22.94 D15.1 42.88,24.52 v1(42.88,55.54) 42.88,56.47 D9.1 D3.1
GP24: length 75.3
  Top w0.25: v1(62.28,22.92) 61.93,23.27 61.93,45.78 v1(62.05,45.91)
  Bottom w0.25: D20.1 D16.1 63.48,22.92 v1(62.28,22.92) ; D4.1 D10.1 ; D10.1 64.36,58.9 70.3,58.9 72.76,56.43 79.41,56.43 80.32,55.53 80.32,54.13 73.1,46.91 U1.36 ; D10.1 63.5,50.18 61.93,48.61 61.93,46.03 v1(62.05,45.91)
GP28: length 92.6
  Top w0.25: v1(104.35,61.84) 104.27,61.93 v1(81.03,61.93)
  Bottom w0.25: v1(81.03,61.93) 78.46,61.93 77.45,60.92 77.45,57.25 77.88,56.81 79.57,56.81 80.7,55.69 80.7,53.97 74.7,47.98 U1.40 ; v1(104.35,61.84) 104.35,60.39 D6.1 D12.1 100.4,54.14 100.4,49.99 99.34,48.93 99.34,33.2 100.37,32.18 100.37,30.38 99.96,29.97 99.96,25.99 D18.1 D22.1
GP29: length 60.7
  Top w0.25: v1(84.55,35.66) 86.15,37.26 v1(86.15,49.04)
  Bottom w0.25: D21.1 D17.1 85.72,26.11 85.72,31.84 84.48,33.07 84.48,35.59 v1(84.55,35.66) ; D11.1 D5.1 78.15,58.77 81.07,55.84 81.07,53.82 ; U1.41 75.1,47.84 81.07,53.82 ; 81.07,53.82 81.07,53.64 85.67,49.04 v1(86.15,49.04)
Net-(D1-A): length 11.4
  Bottom w0.25: D1.2 9.69,60.38 MX1.2
Net-(D2-A): length 11.4
  Bottom w0.25: MX2.2 28.74,60.38 D2.2
Net-(D3-A): length 11.4
  Bottom w0.25: MX3.2 47.79,60.38 D3.2
Net-(D4-A): length 11.4
  Bottom w0.25: MX4.2 66.84,60.38 D4.2
Net-(D5-A): length 13.2
  Bottom w0.25: D5.2 81.45,61.43 85.89,65.86 MX5.2
Net-(D6-A): length 12.5
  Bottom w0.25: MX6.2 104.94,63.01 D6.2
Net-(D7-A): length 5.4
  Bottom w0.25: D7.2 9.69,58.01 MX7.2
Net-(D8-A): length 5.4
  Bottom w0.25: D8.2 28.74,58.01 MX8.2
Net-(D9-A): length 5.4
  Bottom w0.25: MX9.2 47.79,58.01 D9.2
Net-(D10-A): length 5.4
  Bottom w0.25: MX10.2 66.84,58.01 D10.2
Net-(D11-A): length 9.1
  Bottom w0.25: MX11.2 82.54,52.71 81.45,53.79 D11.2
Net-(D12-A): length 6.4
  Bottom w0.25: D12.2 107.6,55.37 MX12.2
Net-(D13-A): length 10.7
  Bottom w0.25: D13.2 9.69,22.98 MX13.2
Net-(D14-A): length 10.7
  Bottom w0.25: D14.2 28.7,33.62 MX14.2
Net-(D15-A): length 10.7
  Bottom w0.25: D15.2 47.75,33.62 MX15.2
Net-(D16-A): length 10.7
  Bottom w0.25: D16.2 66.8,33.62 MX16.2
Net-(D17-A): length 10.9
  Bottom w0.25: D17.2 85.88,22.97 85.88,25.73 86.09,25.95 86.09,32 85.88,32.21 85.88,33.65 MX17.2
Net-(D18-A): length 9.3
  Bottom w0.25: MX18.2 104.9,33.62 D18.2
Net-(D19-A): length 3.7
  Bottom w0.25: D19.2 47.79,18.28 MX19.2
Net-(D20-A): length 6.1
  Bottom w0.25: MX20.2 66.84,20.61 D20.2
Net-(D21-A): length 15.6
  Bottom w0.25: D21.2 85.89,20.61 MX21.2 MX45.2
Net-(D22-A): length 10.2
  Bottom w0.25: D22.2 107.15,19.8 107.15,15.19 106.56,14.61 MX22.2
Net-(D23-A): length 13.2
  Bottom w0.25: D23.2 99.86,92.36 MX23.2
Net-(D24-A): length 12.5
  Bottom w0.25: MX24.2 80.81,94.15 D24.2
Net-(D25-A): length 12.1
  Bottom w0.25: MX25.2 61.76,95.15 D25.2
Net-(D26-A): length 12.1
  Bottom w0.25: D26.2 42.71,95.15 MX26.2
Net-(D27-A): length 12.1
  Bottom w0.25: MX27.2 23.66,95.15 D27.2
Net-(D28-A): length 12.1
  Bottom w0.25: D28.2 4.61,95.15 MX28.2
Net-(D29-A): length 7.2
  Bottom w0.25: D29.2 104.25,100.06 MX29.2
Net-(D30-A): length 6.5
  Bottom w0.25: D30.2 80.81,101.76 MX30.2
Net-(D31-A): length 6
  Bottom w0.25: MX31.2 61.76,100.74 D31.2
Net-(D32-A): length 6
  Bottom w0.25: D32.2 42.71,100.74 MX32.2
Net-(D33-A): length 6
  Bottom w0.25: MX33.2 23.66,100.74 D33.2
Net-(D34-A): length 6
  Bottom w0.25: MX34.2 4.61,100.74 D34.2
Net-(D35-A): length 10.9
  Bottom w0.25: D35.2 100.75,133.29 99.86,132.4 MX35.2
Net-(D36-A): length 11.4
  Bottom w0.25: MX36.2 80.81,132.4 D36.2
Net-(D37-A): length 11.4
  Bottom w0.25: D37.2 61.76,132.4 MX37.2
Net-(D38-A): length 11.4
  Bottom w0.25: D38.2 42.71,132.4 MX38.2
Net-(D39-A): length 11.4
  Bottom w0.25: D39.2 23.66,132.4 MX39.2
Net-(D40-A): length 11.4
  Bottom w0.25: MX40.2 4.61,132.4 D40.2
Net-(D41-A): length 7.6
  Bottom w0.25: MX41.2 99.86,137.24 D41.2
Net-(D42-A): length 19.8
  Bottom w0.25: MX42.2 MX46.2 84.27,136.49 D42.2
Net-(D43-A): length 6.8
  Bottom w0.25: D43.2 61.76,138.29 MX43.2
Net-(D44-A): length 4.4
  Bottom w0.25: MX44.2 42.71,140.64 D44.2
Net-(F1-Pad1): length 0.9
  Bottom w0.25: FB1.1 F1.1
Net-(J1-CC1): length 2.9
  Bottom w0.25: J1.A5 55.9,71.17 55.79,71.06 55.79,69.77 55.8,69.76 R4.2
Net-(J1-CC2): length 2.9
  Bottom w0.25: 58.3,69.4 58.3,70.15 58.9,70.75 J1.B5
Net-(U1-USB_DM): length 6.2
  Bottom w0.127: U1.46 81.61,41.64 81.93,41.96 82.37,41.96 R2.1
Net-(U1-USB_DP): length 6.2
  Bottom w0.127: R1.2 82.37,40.96 81.96,40.96 81.67,41.24 U1.47
Net-(U1-XOUT): length 1.7
  Bottom w0.127: U1.21 67.79,40.04 R3.2

## Copper pours and planes (outline as drawn; the poured copper is in the pictures)
+3.3V on Bottom: 70.15,37.47 75.75,37.47 75.75,43.07 70.15,43.07

## Text on the board
B.Silkscreen: floookay.de/klappbrettle / v1.0 — CERN-OHL-W | reset | boot | 1 2 3 4 5 6
